# Allegro board SG2042_EVB_V2_0.brd (continued)
## Routing (per net, layer and track width the routed paths; a pad name or vN(x,y) marks a point on that pad's centre or on a via; arc(x,y) is an arc through that point) (continued)
  GND02 w0.254: 52.99,225.06 J3.70 ; J3.70 52.99,226.39 ; J3.70 52.33,225.73 ; J3.70 53.65,225.73 ; 60.13,207.88 J4.85 ; J4.85 60.79,208.54 ; J4.85 61.45,207.88 ; J4.85 60.79,207.21 ; 60.13,228.28 J4.67 ; J4.67 60.79,227.61 ; J4.67 60.79,228.94 ; J4.67 61.45,228.28 ; J4.59 61.45,235.08 ; J4.59 60.79,234.41 ; J4.59 60.13,235.08 ; J4.90 63.05,203.63 ; J4.90 62.39,202.96 ; J4.90 62.39,204.29 ; J4.90 61.73,203.63 ; J3.209 55.19,230.64 ; J3.209 55.85,229.98 ; J3.209 54.53,229.98 ; J3.209 55.19,229.31 ; J4.92 63.05,201.93 ; J4.92 61.73,201.93 ; J4.92 62.39,202.59 ; 62.39,211.46 J4.80 ; J4.80 63.05,212.13 ; J4.80 61.73,212.13 ; J4.80 62.39,212.79 ; 64.59,212.31 J4.223 ; J4.223 65.25,212.98 ; J4.223 64.59,213.64 ; J4.223 63.93,212.98 ; 66.19,231.86 J4.206 ; J4.206 66.85,232.53 ; J4.206 66.19,233.19 ; J4.206 65.53,232.53 ; J3.80 52.99,212.79 ; J3.80 52.33,212.13 ; J3.80 53.65,212.13 ; J3.80 52.99,211.46 ; 56.79,233.56 J3.204 ; J3.204 56.79,234.89 ; J3.204 56.13,234.23 ; J3.204 57.45,234.23 ; 64.59,203.81 J4.233 ; J4.233 63.93,204.48 ; J4.233 64.59,205.14 ; J4.233 65.25,204.48 ; 65.53,227.42 J4.212 ; J4.212 66.85,227.42 ; J4.212 66.19,226.76 ; J4.212 66.19,228.09 ; J4.73 61.45,223.18 ; J4.73 60.13,223.18 ; J4.73 60.79,222.51 ; J4.73 60.79,223.84 ; J4.220 66.85,220.63 ; J4.220 66.19,219.96 ; J4.220 66.19,221.29 ; J4.220 65.53,220.63 ; 54.53,212.98 J3.223 ; J3.223 55.85,212.98 ; J3.223 55.19,213.64 ; J3.223 55.19,212.31 ; 63.93,223.18 J4.217 ; J4.217 65.25,223.18 ; J4.217 64.59,222.51 ; J4.217 64.59,223.84 ; J3.206 56.79,233.19 ; J3.206 56.79,231.86 ; J3.206 57.45,232.53 ; J3.206 56.13,232.53 ; J4.70 63.05,225.73 ; J4.70 62.39,226.39 ; J4.70 61.73,225.73 ; J4.70 62.39,225.06 ; 50.73,207.88 J3.85 ; J3.85 51.39,207.21 ; J3.85 51.39,208.54 ; J3.85 52.05,207.88 ; 63.93,206.18 J4.231 ; J4.231 65.25,206.18 ; J4.231 64.59,206.84 ; J4.231 64.59,205.51 ; 56.79,226.76 J3.212 ; J3.212 56.13,227.42 ; J3.212 56.79,228.09 ; J3.212 57.45,227.42 ; J4.64 62.39,231.49 ; J4.64 63.05,230.83 ; J4.64 62.39,230.16 ; J4.64 61.73,230.83 ; J3.67 52.05,228.28 ; J3.67 50.73,228.28 ; J3.67 51.39,228.94 ; J3.67 51.39,227.61 ; J3.231 55.85,206.18 ; J3.231 54.53,206.18 ; J3.231 55.19,205.51 ; J3.231 55.19,206.84 ; 50.73,223.18 J3.73 ; J3.73 51.39,223.84 ; J3.73 51.39,222.51 ; J3.73 52.05,223.18 ; J3.226 56.79,211.09 ; J3.226 57.45,210.43 ; J3.226 56.79,209.76 ; J3.226 56.13,210.43 ; 55.19,203.81 J3.233 ; J3.233 54.53,204.48 ; J3.233 55.19,205.14 ; J3.233 55.85,204.48 ; J4.83 60.79,210.24 ; J4.83 60.13,209.58 ; J4.83 61.45,209.58 ; J4.83 60.79,208.91 ; J3.88 53.65,205.33 ; J3.88 52.99,205.99 ; J3.88 52.99,204.66 ; J3.88 52.33,205.33 ; 64.59,224.21 J4.215 ; J4.215 63.93,224.88 ; J4.215 64.59,225.54 ; J4.215 65.25,224.88 ; J3.83 52.05,209.58 ; J3.83 51.39,208.91 ; J3.83 50.73,209.58 ; J3.83 51.39,210.24 ; J4.229 65.25,207.88 ; J4.229 63.93,207.88 ; J4.229 64.59,208.54 ; J4.229 64.59,207.21 ; 52.33,201.93 J3.92 ; J3.92 52.99,202.59 ; J3.92 53.65,201.93 ; J4.88 62.39,205.99 ; J4.88 63.05,205.33 ; J4.88 62.39,204.66 ; J4.88 61.73,205.33 ; J4.76 63.05,220.63 ; J4.76 61.73,220.63 ; J4.76 62.39,221.29 ; J3.59 52.05,235.08 ; J3.59 51.39,234.41 ; J3.59 50.73,235.08 ; 65.53,234.23 J4.204 ; J4.204 66.19,234.89 ; J4.204 66.19,233.56 ; J4.204 66.85,234.23 ; J3.236 57.45,201.93 ; J3.236 56.13,201.93 ; J3.236 56.79,202.59 ; J3.220 57.45,220.63 ; J3.220 56.79,221.29 ; J3.220 56.13,220.63 ; 55.19,207.21 J3.229 ; J3.229 55.19,208.54 ; J3.229 55.85,207.88 ; J3.229 54.53,207.88 ; J3.90 53.65,203.63 ; J3.90 52.99,202.96 ; J3.90 52.33,203.63 ; J3.90 52.99,204.29 ; J4.236 66.85,201.93 ; J4.236 65.53,201.93 ; J4.236 66.19,202.59 ; 60.13,233.38 J4.61 ; J4.61 60.79,234.04 ; J4.61 60.79,232.71 ; J4.61 61.45,233.38 ; J4.209 65.25,229.98 ; J4.209 63.93,229.98 ; J4.209 64.59,230.64 ; J4.209 64.59,229.31 ; J3.76 53.65,220.63 ; J3.76 52.33,220.63 ; J3.76 52.99,221.29 ; 66.19,209.76 J4.226 ; J4.226 65.53,210.43 ; J4.226 66.85,210.43 ; J4.226 66.19,211.09 ; 50.73,233.38 J3.61 ; J3.61 51.39,232.71 ; J3.61 52.05,233.38 ; J3.61 51.39,234.04 ; J3.64 52.99,231.49 ; J3.64 52.33,230.83 ; J3.64 52.99,230.16 ; J3.64 53.65,230.83 ; J3.215 55.85,224.88 ; J3.215 55.19,225.54 ; J3.215 54.53,224.88 ; J3.215 55.19,224.21 ; 54.53,223.18 J3.217 ; J3.217 55.19,222.51 ; J3.217 55.85,223.18 ; J3.217 55.19,223.84
  ART03 w0.254: 51.39,222.51 J3.73 ; J3.73 51.39,223.84 ; J3.73 52.05,223.18 ; J3.73 50.73,223.18 ; 56.13,220.63 J3.220 ; J3.220 56.79,219.96 ; J3.220 57.45,220.63 ; J3.220 56.79,221.29 ; J3.64 53.65,230.83 ; J3.64 52.99,231.49 ; J3.64 52.33,230.83 ; J3.64 52.99,230.16 ; 51.39,208.91 J3.83 ; J3.83 51.39,210.24 ; J3.83 52.05,209.58 ; 62.39,204.66 J4.88 ; J4.88 61.73,205.33 ; J4.88 63.05,205.33 ; J4.88 62.39,205.99 ; J4.80 62.39,212.79 ; J4.80 63.05,212.13 ; J4.80 61.73,212.13 ; J4.80 62.39,211.46 ; J3.215 55.19,225.54 ; J3.215 55.85,224.88 ; J3.215 54.53,224.88 ; J3.215 55.19,224.21 ; 61.73,230.83 J4.64 ; J4.64 62.39,230.16 ; J4.64 63.05,230.83 ; 63.93,212.98 J4.223 ; J4.223 64.59,213.64 ; J4.223 64.59,212.31 ; J4.223 65.25,212.98 ; J3.223 55.19,213.64 ; J3.223 55.85,212.98 ; J3.223 54.53,212.98 ; J3.223 55.19,212.31 ; 56.79,226.76 J3.212 ; J3.212 56.79,228.09 ; J3.212 57.45,227.42 ; J3.212 56.13,227.42 ; 66.19,209.76 J4.226 ; J4.226 65.53,210.43 ; J4.226 66.19,211.09 ; 52.99,219.96 J3.76 ; J3.76 52.33,220.63 ; J3.76 52.99,221.29 ; J3.76 53.65,220.63 ; 61.73,201.93 J4.92 ; J4.92 62.39,201.26 ; J4.92 63.05,201.93 ; J4.92 62.39,202.59 ; 56.13,234.23 J3.204 ; J3.204 56.79,234.89 ; J3.204 56.79,233.56 ; J3.204 57.45,234.23 ; J4.76 62.39,221.29 ; J4.76 62.39,219.96 ; J4.76 63.05,220.63 ; J4.76 61.73,220.63 ; J4.83 60.79,210.24 ; J4.83 60.13,209.58 ; J4.83 61.45,209.58 ; J4.83 60.79,208.91 ; 51.39,207.21 J3.85 ; J3.85 51.39,208.54 ; J3.85 52.05,207.88 ; 54.53,206.18 J3.231 ; J3.231 55.19,206.84 ; J3.231 55.19,205.51 ; J3.231 55.85,206.18 ; 50.73,235.08 J3.59 ; J3.59 51.39,235.74 ; J3.59 51.39,234.41 ; J3.59 52.05,235.08 ; 52.99,225.06 J3.70 ; J3.70 52.99,226.39 ; J3.70 52.33,225.73 ; J3.70 53.65,225.73 ; J3.90 52.99,204.29 ; J3.90 53.65,203.63 ; J3.90 52.33,203.63 ; J3.90 52.99,202.96 ; 63.93,206.18 J4.231 ; J4.231 64.59,206.84 ; J4.231 65.25,206.18 ; J4.231 64.59,205.51 ; 64.59,207.21 J4.229 ; J4.229 65.25,207.88 ; J4.229 64.59,208.54 ; J4.229 63.93,207.88 ; 55.19,222.51 J3.217 ; J3.217 55.19,223.84 ; J3.217 55.85,223.18 ; J3.217 54.53,223.18 ; 51.39,227.61 J3.67 ; J3.67 52.05,228.28 ; J3.67 51.39,228.94 ; J3.67 50.73,228.28 ; J3.236 56.79,202.59 ; J3.236 56.13,201.93 ; J3.236 57.45,201.93 ; J3.236 56.79,201.26 ; 60.79,227.61 J4.67 ; J4.67 60.79,228.94 ; J4.67 61.45,228.28 ; J4.67 60.13,228.28 ; J3.61 52.05,233.38 ; J3.61 50.73,233.38 ; J3.61 51.39,232.71 ; J3.61 51.39,234.04 ; 56.79,209.76 J3.226 ; J3.226 56.13,210.43 ; J3.226 57.45,210.43 ; J3.226 56.79,211.09 ; 63.05,225.73 J4.70 62.39,226.39 ; J3.229 55.85,207.88 ; J3.229 55.19,208.54 ; J3.229 55.19,207.21 ; J3.229 54.53,207.88 ; J3.92 53.65,201.93 ; J3.92 52.99,202.59 ; J3.92 52.99,201.26 ; J3.92 52.33,201.93 ; J3.88 52.99,205.99 ; J3.88 52.99,204.66 ; J3.88 52.33,205.33 ; J3.88 53.65,205.33 ; J3.206 57.45,232.53 ; J3.206 56.79,233.19 ; J3.206 56.13,232.53 ; J3.206 56.79,231.86 ; J4.90 62.39,204.29 ; J4.90 62.39,202.96 ; J4.90 61.73,203.63 ; J4.90 63.05,203.63 ; 66.19,219.96 J4.220 65.53,220.63 ; 52.99,211.46 J3.80 ; J3.80 52.99,212.79 ; J3.80 53.65,212.13 ; J3.80 52.33,212.13 ; 60.13,233.38 J4.61 ; J4.61 60.79,232.71 ; J4.61 60.79,234.04 ; J4.61 61.45,233.38 ; J4.236 66.19,202.59 ; J4.236 65.53,201.93 ; J4.236 66.19,201.26 ; J4.215 63.93,224.88 ; J4.215 65.25,224.88 ; J4.215 64.59,225.54 ; J4.233 65.25,204.48 ; J4.233 64.59,203.81 ; J4.233 63.93,204.48 ; J4.233 64.59,205.14 ; 60.79,222.51 J4.73 60.13,223.18 ; 60.13,207.88 J4.85 ; J4.85 60.79,207.21 ; J4.85 61.45,207.88 ; J4.85 60.79,208.54 ; 55.19,229.31 J3.209 ; J3.209 55.19,230.64 ; J3.209 55.85,229.98 ; J3.209 54.53,229.98 ; J4.59 61.45,235.08 ; J4.59 60.79,234.41 ; J4.59 60.79,235.74 ; J4.59 60.13,235.08 ; J3.233 55.85,204.48 ; J3.233 54.53,204.48 ; J3.233 55.19,205.14 ; J3.233 55.19,203.81
  ART03 w0.381: J4.209 63.93,229.98 ; J4.212 65.61,226.85 ; v1(47.83,279.65) v1(47.83,277.57) 49.81,275.59 49.81,265.46
  GND06 w0.254: 54.53,224.88 J3.215 ; J3.215 55.19,224.21 ; J3.215 55.19,225.54 ; J3.215 55.85,224.88 ; J3.233 55.19,205.14 ; J3.233 55.85,204.48 ; J3.233 55.19,203.81 ; J3.233 54.53,204.48 ; 64.59,224.21 J4.215 ; J4.215 63.93,224.88 ; J4.215 65.25,224.88 ; J4.215 64.59,225.54 ; 56.79,233.56 J3.204 ; J3.204 57.45,234.23 ; J3.204 56.13,234.23 ; J3.204 56.79,234.89 ; J4.223 64.59,213.64 ; J4.223 65.25,212.98 ; J4.223 64.59,212.31 ; J4.223 63.93,212.98 ; 54.53,206.18 J3.231 ; J3.231 55.85,206.18 ; J3.231 55.19,205.51 ; J3.231 55.19,206.84 ; 52.33,220.63 J3.76 ; J3.76 52.99,221.29 ; J3.76 52.99,219.96 ; J3.76 53.65,220.63 ; J4.61 61.45,233.38 ; J4.61 60.79,232.71 ; J4.61 60.13,233.38 ; J4.61 60.79,234.04 ; J4.209 64.59,230.64 ; J4.209 64.59,229.31 ; J4.209 63.93,229.98 ; J4.209 65.25,229.98 ; 56.79,219.96 J3.220 ; J3.220 56.13,220.63 ; J3.220 57.45,220.63 ; J3.220 56.79,221.29 ; 65.53,220.63 J4.220 ; J4.220 66.85,220.63 ; J4.220 66.19,221.29 ; J4.220 66.19,219.96 ; J4.233 64.59,205.14 ; J4.233 64.59,203.81 ; J4.233 65.25,204.48 ; J4.233 63.93,204.48 ; 66.19,233.56 J4.204 ; J4.204 66.19,234.89 ; J4.204 66.85,234.23 ; J4.204 65.53,234.23 ; J4.83 60.79,210.24 ; J4.83 60.79,208.91 ; J4.83 60.13,209.58 ; J4.83 61.45,209.58 ; 50.73,228.28 J3.67 ; J3.67 51.39,227.61 ; J3.67 52.05,228.28 ; J3.67 51.39,228.94 ; 60.79,222.51 J4.73 ; J4.73 60.13,223.18 ; J4.73 61.45,223.18 ; J4.73 60.79,223.84 ; J3.212 57.45,227.42 ; J3.212 56.79,226.76 ; J3.212 56.79,228.09 ; J3.212 56.13,227.42 ; 64.59,205.51 J4.231 ; J4.231 64.59,206.84 ; J4.231 63.93,206.18 ; J4.231 65.25,206.18 ; J3.61 52.05,233.38 ; J3.61 50.73,233.38 ; J3.61 51.39,234.04 ; J3.61 51.39,232.71 ; J3.70 52.99,226.39 ; J3.70 52.99,225.06 ; J3.70 52.33,225.73 ; J3.70 53.65,225.73 ; 52.33,203.63 J3.90 ; J3.90 53.65,203.63 ; J3.90 52.99,202.96 ; J3.90 52.99,204.29 ; J3.223 55.85,212.98 ; J3.223 55.19,213.64 ; J3.223 54.53,212.98 ; J3.223 55.19,212.31 ; J3.85 52.05,207.88 ; J3.85 51.39,208.54 ; J3.85 51.39,207.21 ; J3.85 50.73,207.88 ; 52.99,204.66 J3.88 ; J3.88 52.33,205.33 ; J3.88 52.99,205.99 ; J3.88 53.65,205.33 ; 63.93,223.18 J4.217 ; J4.217 65.25,223.18 ; J4.217 64.59,223.84 ; J4.217 64.59,222.51 ; 52.99,230.16 J3.64 ; J3.64 52.33,230.83 ; J3.64 52.99,231.49 ; J3.64 53.65,230.83 ; J3.226 56.79,211.09 ; J3.226 56.13,210.43 ; J3.226 57.45,210.43 ; J3.226 56.79,209.76 ; 66.19,231.86 J4.206 ; J4.206 66.19,233.19 ; J4.206 66.85,232.53 ; J4.206 65.53,232.53 ; J3.236 57.45,201.93 ; J3.236 56.79,202.59 ; J3.236 56.79,201.26 ; J3.236 56.13,201.93 ; J4.212 66.85,227.42 ; J4.212 65.53,227.42 ; J4.212 66.19,228.09 ; J4.212 66.19,226.76 ; 56.13,232.53 J3.206 ; J3.206 57.45,232.53 ; J3.206 56.79,231.86 ; J3.206 56.79,233.19 ; 52.99,201.26 J3.92 ; J3.92 53.65,201.93 ; J3.92 52.33,201.93 ; J3.92 52.99,202.59 ; 61.73,205.33 J4.88 ; J4.88 63.05,205.33 ; J4.88 62.39,205.99 ; J4.88 62.39,204.66 ; 66.19,209.76 J4.226 ; J4.226 66.19,211.09 ; J4.226 65.53,210.43 ; J4.226 66.85,210.43 ; 55.19,222.51 J3.217 ; J3.217 54.53,223.18 ; J3.217 55.19,223.84 ; J3.217 55.85,223.18 ; J3.83 52.05,209.58 ; J3.83 50.73,209.58 ; J3.83 51.39,208.91 ; J3.83 51.39,210.24 ; 60.13,228.28 J4.67 ; J4.67 60.79,228.94 ; J4.67 61.45,228.28 ; J4.67 60.79,227.61 ; 63.93,207.88 J4.229 ; J4.229 65.25,207.88 ; J4.229 64.59,207.21 ; J4.229 64.59,208.54 ; J4.90 63.05,203.63 ; J4.90 62.39,204.29 ; J4.90 61.73,203.63 ; J4.90 62.39,202.96 ; 55.19,207.21 J3.229 ; J3.229 54.53,207.88 ; J3.229 55.85,207.88 ; J3.229 55.19,208.54 ; 60.79,207.21 J4.85 ; J4.85 61.45,207.88 ; J4.85 60.79,208.54 ; J4.85 60.13,207.88 ; 51.39,222.51 J3.73 ; J3.73 50.73,223.18 ; J3.73 51.39,223.84 ; J3.73 52.05,223.18 ; 52.33,212.13 J3.80 ; J3.80 52.99,211.46 ; J3.80 53.65,212.13 ; J3.80 52.99,212.79 ; 61.73,230.83 J4.64 ; J4.64 62.39,231.49 ; J4.64 62.39,230.16 ; J4.64 63.05,230.83 ; 55.19,229.31 J3.209 ; J3.209 55.85,229.98 ; J3.209 54.53,229.98 ; J3.209 55.19,230.64 ; 62.39,211.46 J4.80 ; J4.80 61.73,212.13 ; J4.80 62.39,212.79 ; J4.80 63.05,212.13 ; J4.236 66.19,202.59 ; J4.236 66.85,201.93 ; J4.236 66.19,201.26 ; J4.236 65.53,201.93 ; J3.59 52.05,235.08 ; J3.59 51.39,234.41 ; J3.59 50.73,235.08 ; J3.59 51.39,235.74 ; 60.79,234.41 J4.59 ; J4.59 61.45,235.08 ; J4.59 60.79,235.74 ; J4.59 60.13,235.08 ; J4.76 62.39,221.29 ; J4.76 61.73,220.63 ; J4.76 63.05,220.63 ; J4.76 62.39,219.96 ; 61.73,225.73 J4.70 ; J4.70 62.39,225.06 ; J4.70 62.39,226.39 ; J4.70 63.05,225.73 ; 61.73,201.93 J4.92 ; J4.92 63.05,201.93 ; J4.92 62.39,201.26 ; J4.92 62.39,202.59
  GND11 w0.254: 60.79,232.71 J4.61 ; J4.61 61.45,233.38 ; J4.61 60.79,234.04 ; J4.64 62.39,231.49 ; J4.64 63.05,230.83 ; J4.64 62.39,230.16 ; J4.64 61.73,230.83 ; 65.53,220.63 J4.220 ; J4.220 66.19,219.96 ; J4.220 66.19,221.29 ; J4.220 66.85,220.63 ; J4.226 66.19,211.09 ; J4.226 66.85,210.43 ; J4.226 65.53,210.43 ; J4.226 66.19,209.76 ; 63.93,204.48 J4.233 ; J4.233 64.59,203.81 ; J4.233 64.59,205.14 ; J4.233 65.25,204.48 ; J4.204 66.19,234.89 ; J4.204 66.19,233.56 ; J4.204 65.53,234.23 ; J4.204 66.85,234.23 ; 64.59,212.31 J4.223 ; J4.223 65.25,212.98 ; J4.223 64.59,213.64 ; J4.223 63.93,212.98 ; 62.39,225.06 J4.70 ; J4.70 61.73,225.73 ; J4.70 62.39,226.39 ; J4.70 63.05,225.73 ; 62.39,202.96 J4.90 ; J4.90 61.73,203.63 ; J4.90 63.05,203.63 ; J4.90 62.39,204.29 ; 62.39,211.46 J4.80 ; J4.80 61.73,212.13 ; J4.80 63.05,212.13 ; J4.80 62.39,212.79 ; 60.79,222.51 J4.73 ; J4.73 60.79,223.84 ; J4.73 61.45,223.18 ; J4.83 61.45,209.58 ; J4.83 60.79,208.91 ; J4.83 60.79,210.24 ; J4.209 65.25,229.98 ; J4.209 64.59,230.64 ; J4.209 63.93,229.98 ; J4.209 64.59,229.31 ; J4.217 64.59,223.84 ; J4.217 65.25,223.18 ; J4.217 64.59,222.51 ; J4.217 63.93,223.18 ; J4.215 64.59,225.54 ; J4.215 63.93,224.88 ; J4.215 64.59,224.21 ; J4.215 65.25,224.88 ; 64.59,205.51 J4.231 ; J4.231 65.25,206.18 ; J4.231 64.59,206.84 ; J4.231 63.93,206.18 ; 62.39,219.96 J4.76 ; J4.76 63.05,220.63 ; J4.76 62.39,221.29 ; J4.76 61.73,220.63 ; 65.53,201.93 J4.236 ; J4.236 66.19,201.26 ; J4.236 66.19,202.59 ; J4.236 66.85,201.93 ; J4.92 62.39,202.59 ; J4.92 62.39,201.26 ; J4.92 61.73,201.93 ; J4.92 63.05,201.93 ; J4.85 61.45,207.88 ; J4.85 60.79,208.54 ; J4.85 60.79,207.21 ; J4.85 60.13,207.88 ; 65.53,232.53 J4.206 ; J4.206 66.19,233.19 ; J4.206 66.85,232.53 ; J4.206 66.19,231.86 ; 63.93,207.88 J4.229 ; J4.229 65.25,207.88 ; J4.229 64.59,208.54 ; J4.229 64.59,207.21 ; 66.19,226.76 J4.212 ; J4.212 66.85,227.42 ; J4.212 66.19,228.09 ; J4.212 65.53,227.42 ; J4.88 62.39,205.99 ; J4.88 61.73,205.33 ; J4.88 62.39,204.66 ; J4.88 63.05,205.33 ; 60.79,227.61 J4.67 ; J4.67 61.45,228.28 ; J4.67 60.79,228.94 ; J4.59 60.79,235.74 ; J4.59 60.79,234.41 ; J4.59 61.45,235.08
  ART12 w0.254: J4.59 61.45,235.08 ; J4.59 60.79,234.41 ; J4.59 60.13,235.08 ; J3.217 55.85,223.18 ; J3.217 55.19,222.51 ; J3.217 54.53,223.18 ; J3.217 55.19,223.84 ; J3.67 51.39,228.94 ; J3.67 50.73,228.28 ; J3.67 52.05,228.28 ; J3.67 51.39,227.61 ; 55.19,224.21 J3.215 ; J3.215 55.19,225.54 ; J3.215 54.53,224.88 ; J3.215 55.85,224.88 ; 66.19,233.56 J4.204 ; J4.204 65.53,234.23 ; J4.204 66.19,234.89 ; J4.90 62.39,204.29 ; J4.90 63.05,203.63 ; J4.90 61.73,203.63 ; 55.19,229.31 J3.209 ; J3.209 55.19,230.64 ; J3.209 54.53,229.98 ; J3.209 55.85,229.98 ; 64.59,224.21 J4.215 ; J4.215 64.59,225.54 ; J4.215 65.25,224.88 ; J4.215 63.93,224.88 ; 55.19,207.21 J3.229 ; J3.229 55.19,208.54 ; J3.229 55.85,207.88 ; J3.229 54.53,207.88 ; 52.99,219.96 J3.76 ; J3.76 52.33,220.63 ; J3.76 52.99,221.29 ; J3.76 53.65,220.63 ; 52.99,201.26 J3.92 ; J3.92 52.99,202.59 ; J3.92 53.65,201.93 ; J3.92 52.33,201.93 ; 51.39,208.91 J3.83 ; J3.83 50.73,209.58 ; J3.83 52.05,209.58 ; J3.83 51.39,210.24 ; 51.39,207.21 J3.85 ; J3.85 52.05,207.88 ; J3.85 50.73,207.88 ; J3.85 51.39,208.54 ; J3.61 51.39,234.04 ; J3.61 50.73,233.38 ; J3.61 52.05,233.38 ; J3.61 51.39,232.71 ; 66.19,228.09 J4.212 65.53,227.42 ; 62.39,230.16 J4.64 ; J4.64 63.05,230.83 ; J4.64 62.39,231.49 ; J4.64 61.73,230.83 ; 60.79,222.51 J4.73 ; J4.73 61.45,223.18 ; J4.73 60.13,223.18 ; J4.73 60.79,223.84 ; 60.13,233.38 J4.61 ; J4.61 60.79,234.04 ; J4.61 60.79,232.71 ; J4.61 61.45,233.38 ; 60.13,207.88 J4.85 ; J4.85 61.45,207.88 ; J4.85 60.79,207.21 ; J4.85 60.79,208.54 ; 52.33,212.13 J3.80 ; J3.80 52.99,212.79 ; J3.80 52.99,211.46 ; J3.80 53.65,212.13 ; 52.33,230.83 J3.64 ; J3.64 52.99,231.49 ; J3.64 53.65,230.83 ; J3.64 52.99,230.16 ; 66.19,219.96 J4.220 65.53,220.63 ; 64.59,229.31 J4.209 ; J4.209 64.59,230.64 ; J4.209 65.25,229.98 ; J4.209 63.93,229.98 ; J3.73 51.39,223.84 ; J3.73 52.05,223.18 ; J3.73 51.39,222.51 ; J3.73 50.73,223.18 ; J4.70 62.39,226.39 ; J4.70 63.05,225.73 ; J4.70 62.39,225.06 ; J4.70 61.73,225.73 ; 51.39,234.41 J3.59 ; J3.59 50.73,235.08 ; J3.59 52.05,235.08 ; 56.79,219.96 J3.220 ; J3.220 56.13,220.63 ; J3.220 56.79,221.29 ; J3.220 57.45,220.63 ; 54.53,206.18 J3.231 ; J3.231 55.19,206.84 ; J3.231 55.85,206.18 ; J3.231 55.19,205.51 ; 60.13,228.28 J4.67 ; J4.67 61.45,228.28 ; J4.67 60.79,228.94 ; J4.67 60.79,227.61 ; 66.19,231.86 J4.206 ; J4.206 65.53,232.53 ; J4.206 66.19,233.19 ; J3.223 55.85,212.98 ; J3.223 54.53,212.98 ; J3.223 55.19,212.31 ; J3.223 55.19,213.64 ; 52.99,204.66 J3.88 ; J3.88 52.99,205.99 ; J3.88 52.33,205.33 ; J3.88 53.65,205.33 ; 56.79,209.76 J3.226 ; J3.226 56.79,211.09 ; J3.226 56.13,210.43 ; J3.226 57.45,210.43 ; J3.206 57.45,232.53 ; J3.206 56.79,233.19 ; J3.206 56.13,232.53 ; J3.206 56.79,231.86 ; J4.233 64.59,205.14 ; J4.233 63.93,204.48 ; J4.233 65.25,204.48 ; J4.233 64.59,203.81 ; J3.236 57.45,201.93 ; J3.236 56.79,201.26 ; J3.236 56.13,201.93 ; J3.236 56.79,202.59 ; 52.99,225.06 J3.70 ; J3.70 52.99,226.39 ; J3.70 53.65,225.73 ; J3.70 52.33,225.73 ; 62.39,204.66 J4.88 ; J4.88 61.73,205.33 ; J4.88 62.39,205.99 ; J4.88 63.05,205.33 ; 63.93,206.18 J4.231 ; J4.231 64.59,205.51 ; J4.231 65.25,206.18 ; J4.231 64.59,206.84 ; J3.212 57.45,227.42 ; J3.212 56.13,227.42 ; J3.212 56.79,228.09 ; J3.212 56.79,226.76 ; 60.13,209.58 J4.83 ; J4.83 60.79,210.24 ; J4.83 61.45,209.58 ; J4.83 60.79,208.91 ; 54.53,204.48 J3.233 ; J3.233 55.19,203.81 ; J3.233 55.19,205.14 ; J3.233 55.85,204.48 ; 56.13,234.23 J3.204 ; J3.204 57.45,234.23 ; J3.204 56.79,233.56 ; J3.204 56.79,234.89 ; 62.39,219.96 J4.76 ; J4.76 63.05,220.63 ; J4.76 61.73,220.63 ; 64.59,207.21 J4.229 ; J4.229 63.93,207.88 ; J4.229 65.25,207.88 ; J4.80 62.39,212.79 ; J4.80 61.73,212.13 ; J4.80 63.05,212.13 ; 61.73,201.93 J4.92 ; J4.92 62.39,201.26 ; J4.92 63.05,201.93 ; 52.33,203.63 J3.90 ; J3.90 52.99,204.29 ; J3.90 52.99,202.96 ; J3.90 53.65,203.63 ; 64.59,213.64 J4.223 63.93,212.98 ; 63.93,223.18 J4.217 64.59,223.84
  ART14 w0.203: v1(48.62,189.94) 47.9,190.65 47.9,200.15 45.82,202.23 40.56,202.23 39.98,202.82 39.98,204.85 40.18,205.05 v1(40.92,205.05)
  GND15 w0.254: 52.33,220.63 J3.76 ; J3.76 52.99,221.29 ; J3.76 52.99,219.96 ; J3.76 53.65,220.63 ; 56.13,227.42 J3.212 ; J3.212 56.79,226.76 ; J3.212 56.79,228.09 ; J3.212 57.45,227.42 ; J3.85 52.05,207.88 ; J3.85 50.73,207.88 ; J3.85 51.39,207.21 ; J3.85 51.39,208.54 ; 56.13,220.63 J3.220 ; J3.220 56.79,221.29 ; J3.220 56.79,219.96 ; J3.220 57.45,220.63 ; J3.226 57.45,210.43 ; J3.226 56.79,209.76 ; J3.226 56.13,210.43 ; J3.226 56.79,211.09 ; 54.53,224.88 J3.215 ; J3.215 55.19,225.54 ; J3.215 55.85,224.88 ; J3.215 55.19,224.21 ; J3.67 51.39,228.94 ; J3.67 50.73,228.28 ; J3.67 51.39,227.61 ; J3.67 52.05,228.28 ; 51.39,208.91 J3.83 ; J3.83 51.39,210.24 ; J3.83 50.73,209.58 ; J3.83 52.05,209.58 ; 64.59,207.21 J4.229 ; J4.229 64.59,208.54 ; J4.229 65.25,207.88 ; J4.229 63.93,207.88 ; 54.53,206.18 J3.231 ; J3.231 55.19,206.84 ; J3.231 55.19,205.51 ; J3.231 55.85,206.18 ; J3.61 52.05,233.38 ; J3.61 51.39,232.71 ; J3.61 51.39,234.04 ; J3.61 50.73,233.38 ; J4.215 65.25,224.88 ; J4.215 63.93,224.88 ; J4.215 64.59,225.54 ; J4.215 64.59,224.21 ; 56.79,231.86 J3.206 ; J3.206 56.13,232.53 ; J3.206 56.79,233.19 ; J3.206 57.45,232.53 ; J4.226 66.19,211.09 ; J4.226 65.53,210.43 ; J4.226 66.19,209.76 ; J4.226 66.85,210.43 ; 64.59,205.51 J4.231 ; J4.231 64.59,206.84 ; J4.231 65.25,206.18 ; J4.231 63.93,206.18 ; J4.76 63.05,220.63 ; J4.76 62.39,219.96 ; J4.76 61.73,220.63 ; J4.76 62.39,221.29 ; J3.88 52.99,205.99 ; J3.88 52.33,205.33 ; J3.88 53.65,205.33 ; J3.88 52.99,204.66 ; 50.73,235.08 J3.59 ; J3.59 52.05,235.08 ; J3.59 51.39,234.41 ; J3.59 51.39,235.74 ; 55.19,222.51 J3.217 ; J3.217 54.53,223.18 ; J3.217 55.19,223.84 ; J3.217 55.85,223.18 ; J4.220 66.85,220.63 ; J4.220 65.53,220.63 ; J4.220 66.19,221.29 ; J4.220 66.19,219.96 ; J3.73 52.05,223.18 ; J3.73 50.73,223.18 ; J3.73 51.39,223.84 ; J3.73 51.39,222.51 ; 60.13,235.08 J4.59 ; J4.59 60.79,234.41 ; J4.59 61.45,235.08 ; J4.59 60.79,235.74 ; 66.19,233.56 J4.204 ; J4.204 65.53,234.23 ; J4.204 66.19,234.89 ; J4.204 66.85,234.23 ; J4.61 61.45,233.38 ; J4.61 60.79,234.04 ; J4.61 60.13,233.38 ; J4.61 60.79,232.71 ; 62.39,225.06 J4.70 ; J4.70 61.73,225.73 ; J4.70 63.05,225.73 ; J4.70 62.39,226.39 ; 63.93,223.18 J4.217 ; J4.217 64.59,222.51 ; J4.217 65.25,223.18 ; J4.217 64.59,223.84 ; 64.59,203.81 J4.233 ; J4.233 65.25,204.48 ; J4.233 63.93,204.48 ; J4.233 64.59,205.14 ; J4.209 65.25,229.98 ; J4.209 63.93,229.98 ; J4.209 64.59,229.31 ; J4.209 64.59,230.64 ; 52.33,203.63 J3.90 ; J3.90 52.99,204.29 ; J3.90 52.99,202.96 ; J3.90 53.65,203.63 ; J4.92 63.05,201.93 ; J4.92 62.39,202.59 ; J4.92 61.73,201.93 ; 55.19,212.31 J3.223 ; J3.223 55.19,213.64 ; J3.223 54.53,212.98 ; J3.223 55.85,212.98 ; J3.236 56.79,202.59 ; J3.236 57.45,201.93 ; J3.236 56.13,201.93 ; J3.229 55.19,208.54 ; J3.229 54.53,207.88 ; J3.229 55.19,207.21 ; J3.229 55.85,207.88 ; J3.209 55.19,230.64 ; J3.209 55.19,229.31 ; J3.209 54.53,229.98 ; J3.209 55.85,229.98 ; 64.59,212.31 J4.223 ; J4.223 65.25,212.98 ; J4.223 64.59,213.64 ; J4.223 63.93,212.98 ; 60.79,227.61 J4.67 ; J4.67 61.45,228.28 ; J4.67 60.13,228.28 ; J4.67 60.79,228.94 ; 52.33,212.13 J3.80 ; J3.80 52.99,211.46 ; J3.80 52.99,212.79 ; J3.80 53.65,212.13 ; J4.80 63.05,212.13 ; J4.80 61.73,212.13 ; J4.80 62.39,211.46 ; J4.80 62.39,212.79 ; J3.233 55.85,204.48 ; J3.233 55.19,205.14 ; J3.233 55.19,203.81 ; J3.233 54.53,204.48 ; 60.79,222.51 J4.73 ; J4.73 60.13,223.18 ; J4.73 60.79,223.84 ; J4.73 61.45,223.18 ; J4.206 66.19,233.19 ; J4.206 66.19,231.86 ; J4.206 66.85,232.53 ; J4.206 65.53,232.53 ; J4.64 62.39,231.49 ; J4.64 63.05,230.83 ; J4.64 61.73,230.83 ; J4.64 62.39,230.16 ; 52.33,225.73 J3.70 ; J3.70 52.99,225.06 ; J3.70 52.99,226.39 ; J3.70 53.65,225.73 ; J3.204 56.79,234.89 ; J3.204 56.79,233.56 ; J3.204 57.45,234.23 ; J3.204 56.13,234.23 ; J3.92 52.99,202.59 ; J3.92 52.33,201.93 ; J3.92 53.65,201.93 ; 60.79,207.21 J4.85 ; J4.85 60.79,208.54 ; J4.85 61.45,207.88 ; J4.85 60.13,207.88 ; 66.19,226.76 J4.212 ; J4.212 66.19,228.09 ; J4.212 65.53,227.42 ; J4.212 66.85,227.42 ; 61.73,205.33 J4.88 ; J4.88 62.39,205.99 ; J4.88 63.05,205.33 ; J4.88 62.39,204.66 ; 60.79,208.91 J4.83 ; J4.83 61.45,209.58 ; J4.83 60.13,209.58 ; J4.83 60.79,210.24 ; J4.90 63.05,203.63 ; J4.90 62.39,202.96 ; J4.90 61.73,203.63 ; J4.90 62.39,204.29 ; J4.236 66.85,201.93 ; J4.236 65.53,201.93 ; J4.236 66.19,202.59 ; J3.64 52.99,231.49 ; J3.64 52.33,230.83 ; J3.64 53.65,230.83 ; J3.64 52.99,230.16
  BOTTOM w0.381: v1(95.75,239.05) C285.2 v1(96.75,240.05) C282.2 v1(97.75,241.05) C283.2 ; C357.2 v1(89.75,237.05) ; C299.2 v1(96.75,232.05) C296.2 v1(97.75,233.05) C297.2 v1(98.75,234.05) C295.2 v1(99.75,235.05) ; v1(99.75,229.05) C305.2 v1(98.75,228.05) C307.2 v1(97.75,227.05) C306.2 ; C289.2 v1(95.75,237.05) ; C333.2 v1(95.75,210.05) ; v1(99.75,223.05) C314.2 v1(98.75,222.05) C316.2 ; C317.2 v1(99.75,220.05) ; C345.2 v1(94.75,205.05) ; C359.2 v1(92.75,237.05) ; C338.2 v1(97.75,208.05) C343.2 v1(98.75,207.05) C344.2 v1(99.75,206.05) ; v1(99.75,210.05) C337.2 v1(98.75,211.05) C336.2 v1(97.75,212.05) C330.2 v1(96.75,213.05) C329.2 ; v1(99.75,237.05) C292.2 v1(98.75,236.05) C294.2 v1(97.75,235.05) C293.2 ; C354.2 v1(88.75,241.05) ; C309.2 v1(97.75,225.05) C310.2 v1(98.75,226.05) C308.2 v1(99.75,227.05) ; C364.2 v1(92.75,203.05) ; v1(99.75,239.05) C288.2 v1(98.75,238.05) C291.2 v1(97.75,237.05) C290.2 ; C350.2 v1(95.75,202.05) C353.2 v1(96.75,201.05) ; v1(99.75,214.05) C327.2 v1(98.75,215.05) C326.2 v1(97.75,216.05) C321.2 ; C315.2 v1(97.75,220.05) 98.05,219.75 C319.2 v1(98.75,219.05) C320.2 v1(99.75,218.05) ; C281.2 v1(95.75,241.05) ; v1(99.75,231.05) C302.2 v1(98.75,230.05) C304.2 v1(97.75,229.05) C303.2 ; C342.2 v1(97.75,206.05) C348.2 v1(98.75,205.05) C349.2 v1(99.75,204.05) ; C355.2 v1(91.75,240.05) ; C358.2 v1(91.75,235.05) ; C324.2 v1(96.75,215.05) C325.2 v1(97.75,214.05) C331.2 v1(98.75,213.05) C332.2 v1(99.75,212.05) ; C362.2 v1(91.75,205.05) ; C351.2 v1(96.75,203.05) ; v1(99.75,208.05) C340.2 v1(98.75,209.05) C339.2 v1(97.75,210.05) C335.2 v1(96.75,211.05) C334.2 v1(95.75,212.05) C328.2 ; C312.2 v1(97.75,223.05) C313.2 v1(98.75,224.05) C311.2 v1(99.75,225.05) ; C300.2 v1(97.75,231.05) C301.2 v1(98.75,232.05) C298.2 v1(99.75,233.05) ; C352.2 v1(97.75,202.05) ; C363.2 v1(89.75,203.05) ; C318.2 v1(97.75,218.05) C322.2 v1(98.75,217.05) C323.2 v1(99.75,216.05) ; C346.2 v1(95.75,204.05) ; C347.2 v1(97.75,204.05) ; C286.2 v1(97.75,239.05) C287.2 v1(98.75,240.05) C284.2 v1(99.75,241.05) ; C356.2 v1(93.75,239.05) ; C361.2 v1(93.75,210.05) ; FB19.2 v1(102.75,229.05) ; FB17.2 v1(102.75,221.05) ; C341.2 v1(95.75,206.05) ; C360.2 v1(94.75,235.05)
  vias: v1(40.92,205.59) v1(40.92,204.52) v1(40.92,203.99) v1(40.92,203.45) v1(41.45,205.59) v1(41.45,205.05) v1(41.45,204.52) v1(41.45,203.99) v1(41.45,203.45) v1(41.61,211.96) v1(41.61,211.15) v1(41.61,210.34) v1(41.99,205.59) v1(41.99,205.05) v1(41.99,204.52) v1(41.99,203.99) v1(41.99,203.45) v1(42.42,211.96) v1(42.42,211.15) v1(42.42,210.34) v1(42.52,205.59) v1(42.52,205.05) v1(42.52,204.52) v1(42.52,203.99) v1(42.52,203.45) v1(43.05,205.59) v1(43.05,205.05) v1(43.05,204.52) v1(43.05,203.99) v1(43.05,203.45) v1(46.74,233.58) v1(46.74,232.77) v1(46.76,225.3) v1(46.76,224.49) v1(46.76,204.42) v1(46.76,203.61) v1(47.55,233.58) v1(47.55,232.77) v1(47.57,225.3) v1(47.57,224.49) v1(47.57,204.42) v1(47.57,203.61) v1(48.36,233.58) v1(48.36,232.77) v1(48.39,225.3) v1(48.39,224.49) v1(48.39,204.42) v1(48.39,203.61) v1(58.78,234.49) v1(58.78,204.85) v1(59.39,211.3) v1(59.39,207.9) v1(79.4,257.53) v1(79.4,184.58) v1(79.96,258.09) v1(79.96,257.53) v1(79.96,184.58) v1(79.96,184.02) v1(80.52,258.65) v1(80.52,258.09) v1(80.52,257.53) v1(80.52,184.58) v1(80.52,184.02) v1(80.52,183.46)
